# KiCad board TRX055.01.01.PB.00.00.kicad_pcb (continued)
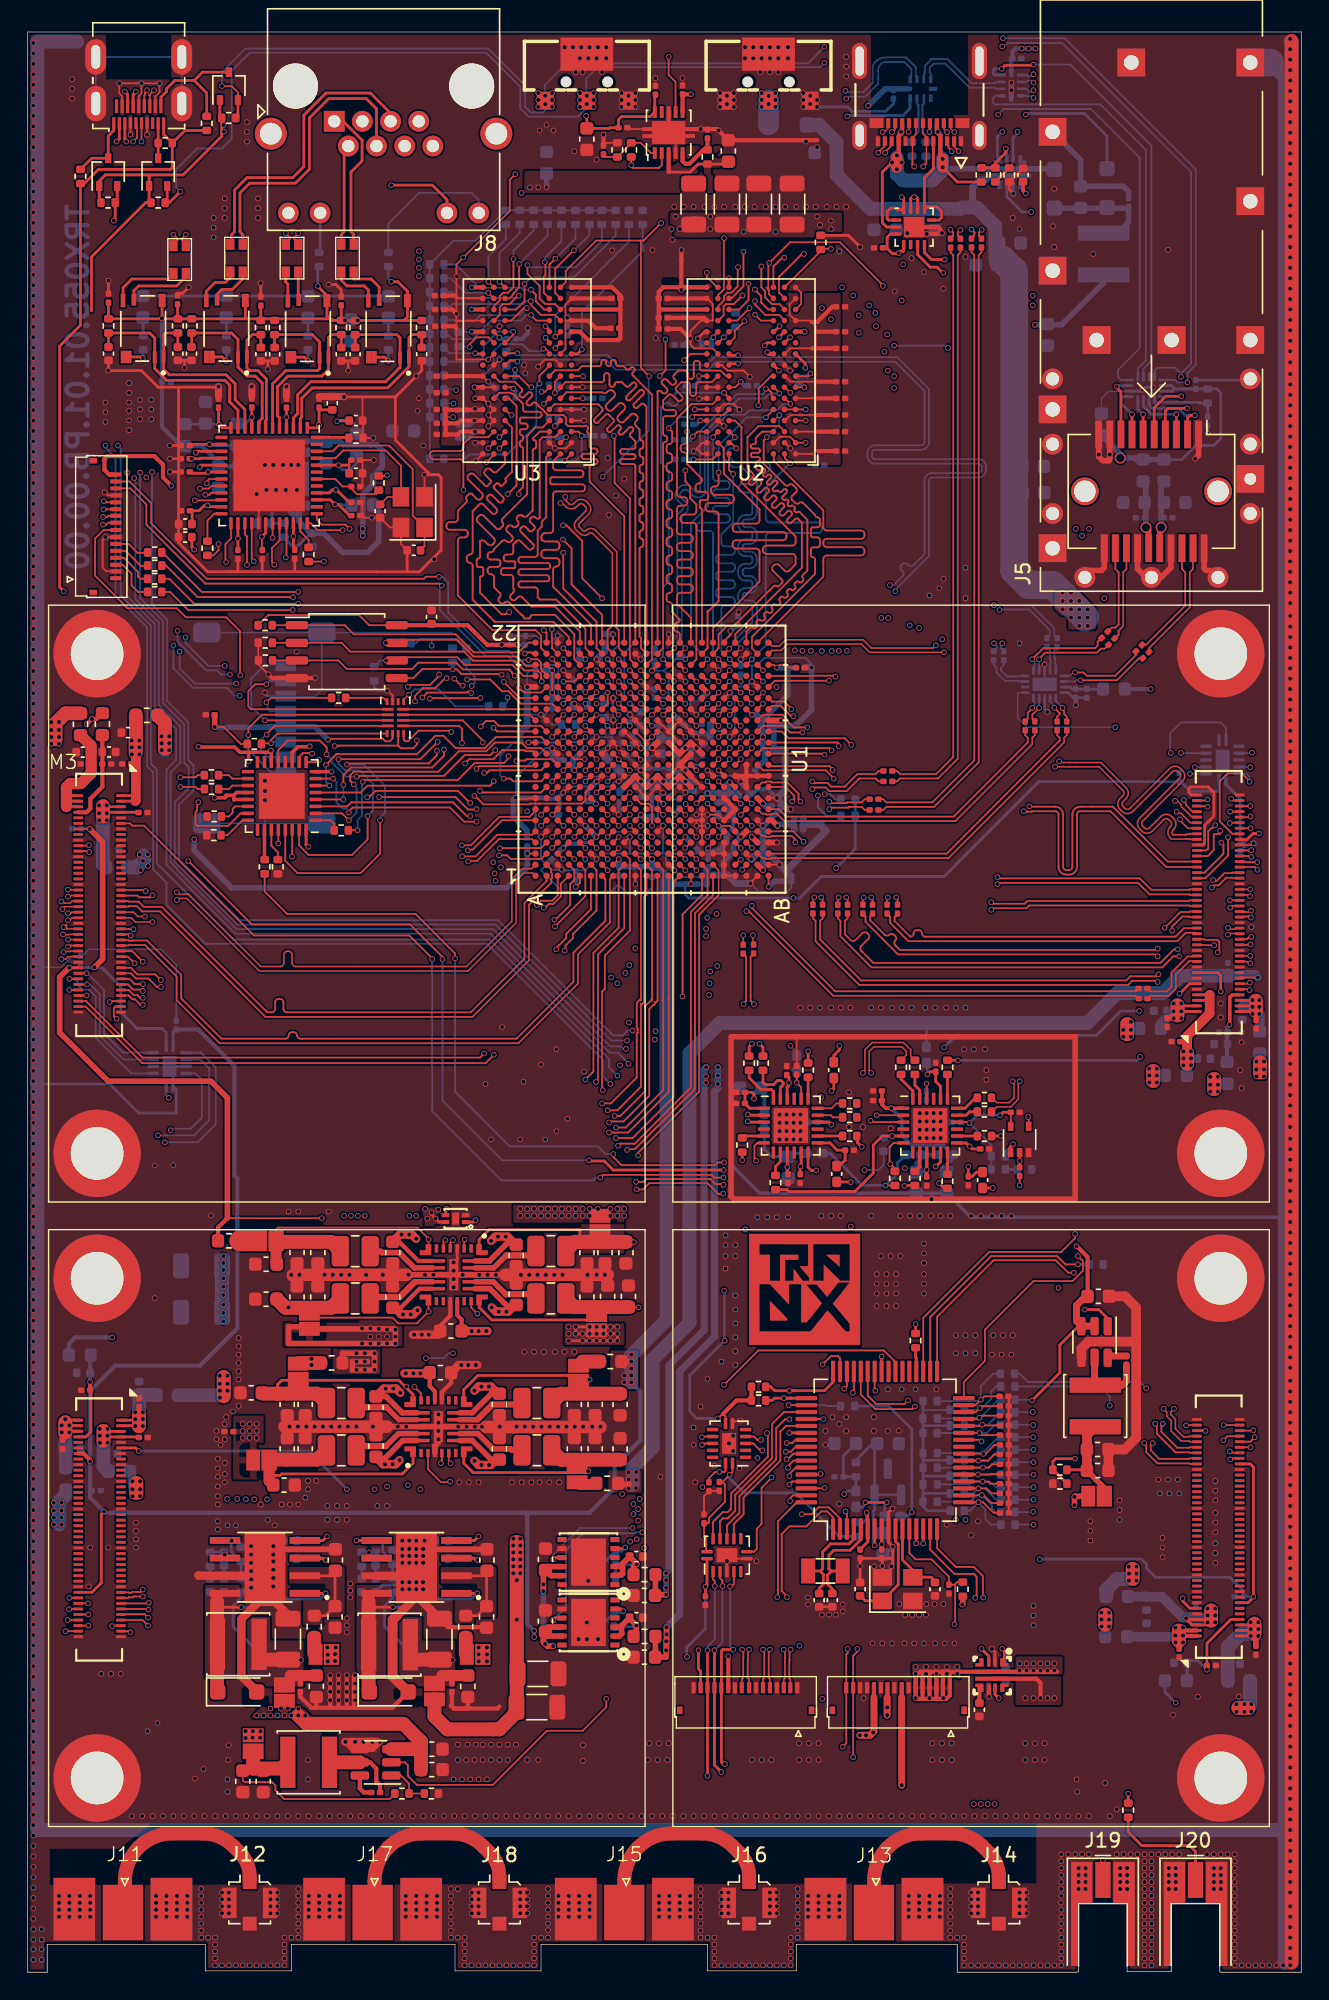
[diagram p0: board, top side]
## Routing (per net, layer and track width the routed paths; a pad name or vN(x,y) marks a point on that pad's centre or on a via; arc(x,y) is an arc through that point) (continued)
/ZynqDDR/DDR_CS: length 95
  Top w0.127: v1(38.02,117.01) 38.41,117.4 ; U1.P17 v1(47.4,91.4)
  Top w0.2: U2.L2 v1(54.95,117.8)
  In2.Cu w0.127: v1(47.4,91.4) 47.8,91.8 48.03,91.8 48.03,91.8 48.31,91.8 48.6,92.08 48.6,92.39 48.85,92.64 49.2,92.64 49.4,92.83 49.4,93.12 49.72,93.44 50.02,93.44 50.24,93.65 50.24,93.99 50.48,94.24 51.57,94.24 51.82,94.48 51.82,94.74 55.24,98.16 arc(55.41,98.09) 55.48,97.92 55.48,96.97 arc(55.55,96.8) 55.72,96.73 55.84,96.73 arc(56.01,96.8) 56.08,96.97 56.08,97.92 arc(56.15,98.09) 56.32,98.16 56.44,98.16 arc(56.61,98.09) 56.68,97.92 56.68,97.17 arc(56.75,97) 56.92,96.93 57.04,96.93 arc(57.21,97) 57.28,97.17 57.28,97.92 arc(57.35,98.09) 57.52,98.16 57.64,98.16 arc(57.81,98.09) 57.88,97.92 57.88,97.57 arc(57.95,97.4) 58.12,97.33 58.24,97.33 arc(58.41,97.4) 58.48,97.57 58.48,97.92 arc(58.55,98.09) 58.72,98.16 58.84,98.16 arc(59.01,98.09) 59.08,97.92 59.08,97.57 arc(59.15,97.4) 59.32,97.33 59.44,97.33 arc(59.61,97.4) 59.68,97.57 59.68,97.92 arc(59.75,98.09) 59.92,98.16 60.04,98.16 arc(60.21,98.09) 60.28,97.92 60.28,97.57 arc(60.35,97.4) 60.52,97.33 60.64,97.33 arc(60.81,97.4) 60.88,97.57 60.88,97.92 arc(60.95,98.09) 61.12,98.16 62.86,98.16 arc(62.94,98.33) 62.87,98.5 arc(62.79,98.67) 62.86,98.84 62.95,98.92 arc(63.12,98.99) 63.29,98.92 64.16,98.05 arc(64.33,97.98) 64.5,98.05 64.58,98.14 arc(64.65,98.31) 64.58,98.48 64.05,99.01 arc(63.98,99.18) 64.05,99.35 64.93,100.23 68.1,103.39 68.1,113.6 63.7,118 v1(61.95,118)
  In4.Cu w0.127: 35.17,117.04 35.13,117 ; 35.13,117 35.15,117.01 36.22,117.01 36.56,117.36 37.68,117.36 v1(38.02,117.01) 38.3,117.28 46.11,117.28 46.13,117.3 50.38,117.3 50.68,117.6 53.84,117.6 54,117.44 54.59,117.44 v1(54.95,117.8) 55.28,117.47 60.32,117.47 60.85,118 v1(61.95,118) ; 35.13,117 34.71,116.57 34.71,114.99 34.58,114.86 34.58,112.94 33.48,111.84 32.75,111.84 32.35,111.44 31.23,111.44 30.63,112.04
  Bottom w0.127: v1(30.66,112.05) 30.66,112.05 R44.1
/ZynqDDR/DDR_DM0: length 26.5
  Top w0.127: U1.B22 37.4,96.5 v1(37.2,96.7) ; U3.D3 37.1,111.3 36.6,111.3 36,110.7 36,106.5 34.23,104.73 arc(34.17,104.59) 34.23,104.45 arc(34.28,104.32) 34.23,104.18 34.06,104.02 arc(33.92,103.96) 33.79,104.02 32.87,104.94 arc(32.69,105.01) 32.52,104.94 32.43,104.85 arc(32.36,104.67) 32.43,104.5 33.61,103.32 arc(33.68,103.14) 33.61,102.97 33.52,102.88 arc(33.34,102.81) 33.17,102.88 32.95,103.1 arc(32.78,103.17) 32.6,103.1 32.6,101.98 arc(32.57,101.9) 32.48,101.87 arc(32.4,101.83) 32.37,101.75 32.37,101.36 arc(32.4,101.28) 32.48,101.25 32.72,101.25 arc(32.8,101.21) 32.83,101.13 32.83,100.71 arc(32.8,100.63) 32.72,100.59 arc(32.63,100.56) 32.6,100.48 32.6,99.4 34.15,97.85 34.45,97.85 34.6,98 v1(34.7,98)
  In2.Cu w0.127: v1(37.2,96.7) 36.05,97.85 34.95,97.85 34.8,98 v1(34.7,98)
/ZynqDDR/DDR_DM1: length 27.6
  Top w0.127: v1(38.59,104.25) 38.84,104.25 39.97,103.12 39.97,100.43 v1(41.4,99) ; U3.E7 34.8,112.2
  Top w0.2: U1.H20 v1(41.8,94.6)
  In2.Cu w0.127: v1(38.59,104.25) 38.24,104.25 37.89,104.6 arc(37.82,104.77) 37.89,104.94 38.01,105.06 arc(38.08,105.23) 38.01,105.4 37.92,105.49 arc(37.75,105.56) 37.58,105.49 37,104.91 arc(36.83,104.84) 36.67,104.91 36.58,104.99 arc(36.51,105.16) 36.58,105.33 37.16,105.91 arc(37.23,106.08) 37.16,106.25 37.08,106.33 arc(36.91,106.4) 36.74,106.33 36.62,106.21 arc(36.45,106.14) 36.28,106.21 36,106.49 36,107.14 arc(36.07,107.31) 36.24,107.38 36.26,107.38 arc(36.43,107.45) 36.5,107.62 36.5,107.74 arc(36.43,107.91) 36.26,107.98 35.59,107.98 arc(35.42,108.05) 35.35,108.22 35.35,108.34 arc(35.42,108.51) 35.59,108.58 36.31,108.58 arc(36.48,108.65) 36.55,108.82 36.55,108.94 arc(36.48,109.11) 36.31,109.18 36.24,109.18 arc(36.07,109.25) 36,109.42 36,110.2 34.87,111.33 v1(34.87,112.2) ; v1(41.8,94.6) 41.8,95.7 41.35,96.15 41.35,98.95
/ZynqDDR/DDR_DM2: length 25.3
  Top w0.127: U1.P22 47,96.38 arc(46.94,96.52) 46.8,96.58 arc(46.66,96.64) 46.6,96.78 46.6,97.05 arc(46.66,97.19) 46.8,97.25 arc(46.94,97.31) 47,97.45 46.45,98 46.45,98.51 arc(46.39,98.65) 46.25,98.71 arc(46.11,98.77) 46.05,98.91 46.05,99.18 arc(46.11,99.32) 46.25,99.38 arc(46.39,99.44) 46.45,99.58 46.45,99.85 arc(46.39,99.99) 46.25,100.05 arc(46.11,100.11) 46.05,100.25 46.05,100.52 arc(46.11,100.66) 46.25,100.72 arc(46.39,100.78) 46.45,100.92 46.45,101.19 arc(46.39,101.33) 46.25,101.39 arc(46.11,101.45) 46.05,101.59 46.05,101.86 arc(46.11,102) 46.25,102.06 arc(46.39,102.12) 46.45,102.26 46.45,102.53 arc(46.39,102.67) 46.25,102.73 arc(46.11,102.79) 46.05,102.93 46.05,103.2 arc(46.11,103.34) 46.25,103.4 arc(46.39,103.46) 46.45,103.6 46.45,103.87 arc(46.39,104.01) 46.25,104.07 arc(46.11,104.13) 46.05,104.27 46.05,104.54 arc(46.11,104.68) 46.25,104.74 arc(46.39,104.8) 46.45,104.94 46.45,105.21 arc(46.39,105.35) 46.25,105.41 arc(46.11,105.47) 46.05,105.61 46.05,105.88 arc(46.11,106.02) 46.25,106.08 arc(46.39,106.14) 46.45,106.28 46.45,106.55 arc(46.39,106.69) 46.25,106.75 arc(46.11,106.81) 46.05,106.95 46.05,107.22 arc(46.11,107.36) 46.25,107.42 arc(46.39,107.48) 46.45,107.62 46.45,107.89 arc(46.39,108.03) 46.25,108.09 arc(46.11,108.15) 46.05,108.29 46.05,108.56 arc(46.11,108.7) 46.25,108.76 arc(46.39,108.82) 46.45,108.96 46.45,109.23 arc(46.39,109.37) 46.25,109.43 arc(46.11,109.49) 46.05,109.63 46.05,109.9 arc(46.11,110.04) 46.25,110.1 arc(46.39,110.16) 46.45,110.3 46.45,111 v1(46.2,111.25) ; 50.58,112.6 50.18,112.2 48.05,112.2 v1(47.9,112.05)
  Bottom w0.127: v1(46.2,111.25) 47,112.05 v1(47.9,112.05)
/ZynqDDR/DDR_DM3: length 24.8
  Top w0.1: 53.78,111.8 53.79,111.8 v1(54.18,112.19)
  Top w0.127: U1.AA21 52.2,95.4 52.2,96.2 56.75,100.75 56.75,101.8 arc(56.71,101.9) 56.6,101.94 arc(56.49,101.99) 56.45,102.09 56.45,102.52 arc(56.49,102.62) 56.6,102.67 56.92,102.67 arc(57.05,102.72) 57.1,102.84 57.1,103.21 arc(57.05,103.33) 56.92,103.39 56.6,103.39 arc(56.49,103.43) 56.45,103.53 56.45,103.95 arc(56.49,104.06) 56.6,104.11 56.92,104.11 arc(57.05,104.16) 57.1,104.28 57.1,104.65 arc(57.05,104.77) 56.92,104.83 arc(56.8,104.88) 56.75,105 55.89,105.86 arc(55.75,105.92) 55.61,105.86 arc(55.47,105.8) 55.33,105.86 55.1,106.08 arc(55.04,106.22) 55.1,106.37 55.38,106.65 arc(55.44,106.79) 55.38,106.93 55.16,107.16 arc(55.02,107.22) 54.87,107.16 arc(54.73,107.1) 54.59,107.16 53.05,108.7 53.05,110.37 v1(53.28,110.6)
  Bottom w0.1: v1(53.28,110.6) 54.18,111.5 v1(54.18,112.19)
/ZynqDDR/DDR_DQ0: length 27.9
  Top w0.127: U3.D7 34.9,111.3 34.9,108.1 34.45,107.65 arc(34.42,107.58) 34.45,107.51 arc(34.48,107.44) 34.45,107.37 34.2,107.12 arc(34.13,107.09) 34.06,107.12 33.92,107.26 arc(33.85,107.29) 33.78,107.26 33.6,107.08 arc(33.57,107.01) 33.6,106.94 34.27,106.27 arc(34.32,106.14) 34.27,106.01 34.2,105.94 arc(34.07,105.89) 33.94,105.94 33.47,106.41 arc(33.34,106.47) 33.21,106.41 33.15,106.35 arc(33.09,106.22) 33.15,106.09 33.79,105.44 arc(33.85,105.31) 33.79,105.18 33.73,105.11 arc(33.6,105.06) 33.47,105.11 32.82,105.76 arc(32.69,105.82) 32.56,105.76 32.07,105.27 32.07,102.36 arc(32.01,102.21) 31.86,102.15 arc(31.7,102.08) 31.64,101.93 31.64,101.76 arc(31.7,101.61) 31.86,101.55 arc(32.01,101.48) 32.07,101.33 32.07,98.89 33.66,97.3 37.9,97.3 39,96.2 U1.D22
/ZynqDDR/DDR_DQ1: length 26.5
  Top w0.127: U3.C8 33.2,110.6 31.9,110.6 31.4,110.1 31.4,109.84 arc(31.33,109.67) 31.16,109.6 29.24,109.6 arc(29.07,109.53) 29,109.36 29,109.24 arc(29.07,109.07) 29.24,109 31.16,109 arc(31.33,108.93) 31.4,108.76 v1(31.4,106.8) ; v1(37.8,94.62) 37.8,94.6 U1.C20
  In2.Cu w0.127: v1(31.4,106.8) 31.4,99.58 34.05,96.92 35.5,96.92 v1(37.8,94.62)
/ZynqDDR/DDR_DQ2: length 27.9
  Top w0.127: U3.A7 34.4,108.7 33.82,108.12 arc(33.67,108.06) 33.51,108.12 33.35,108.29 arc(33.2,108.35) 33.04,108.29 32.96,108.21 arc(32.9,108.05) 32.96,107.9 33.37,107.49 arc(33.4,107.41) 33.37,107.32 33.15,107.1 arc(33.07,107.07) 32.98,107.1 32.15,107.93 arc(31.99,108) 31.84,107.93 31.76,107.85 arc(31.7,107.7) 31.76,107.54 32.75,106.56 arc(32.81,106.4) 32.75,106.24 32.67,106.17 arc(32.52,106.1) 32.36,106.17 32.01,106.51 arc(31.92,106.55) 31.82,106.51 31.63,106.32 arc(31.58,106.22) 31.63,106.12 arc(31.67,106.02) 31.63,105.93 31,105.3 31,104.7 arc(30.94,104.54) 30.78,104.48 30.4,104.48 arc(30.25,104.42) 30.18,104.26 30.18,104.15 arc(30.25,103.99) 30.4,103.93 31.5,103.93 arc(31.65,103.87) 31.72,103.71 31.72,103.6 arc(31.65,103.44) 31.5,103.38 31.22,103.38 arc(31.06,103.32) 31,103.16 31,99.2 33.5,96.7 36.6,96.7 37,96.3 37,95.4 U1.B21
/ZynqDDR/DDR_DQ3: length 26.5
  Top w0.127: U3.B8 v1(33.2,109.8) ; U1.D20 39,94.22 v1(38.62,94.6)
  In2.Cu w0.127: v1(38.62,94.6) 38.4,94.6 35.51,97.49 34.44,97.49 33.62,98.31 arc(33.48,98.37) 33.34,98.31 arc(33.2,98.25) 33.06,98.31 32.91,98.45 arc(32.86,98.59) 32.91,98.73 33.45,99.26 arc(33.52,99.43) 33.45,99.6 33.36,99.69 arc(33.19,99.76) 33.02,99.69 32.8,99.47 arc(32.63,99.4) 32.46,99.47 32,99.92 32,100.61 arc(32.07,100.78) 32.24,100.85 32.26,100.85 arc(32.43,100.92) 32.5,101.09 32.5,101.21 arc(32.43,101.38) 32.26,101.45 31.83,101.45 arc(31.71,101.5) 31.66,101.62 31.66,101.88 arc(31.71,102) 31.83,102.05 arc(31.95,102.1) 32,102.22 32,102.48 arc(31.95,102.6) 31.83,102.65 arc(31.71,102.7) 31.66,102.83 31.66,103.08 arc(31.71,103.2) 31.83,103.25 arc(31.95,103.3) 32,103.42 32,103.68 arc(31.95,103.8) 31.83,103.85 arc(31.71,103.9) 31.66,104.03 31.66,104.28 arc(31.71,104.4) 31.83,104.45 arc(31.95,104.5) 32,104.62 32,104.88 arc(31.95,105) 31.83,105.05 arc(31.71,105.1) 31.66,105.22 31.66,105.48 arc(31.71,105.6) 31.83,105.65 32.31,105.65 arc(32.48,105.72) 32.55,105.89 32.55,106.01 arc(32.48,106.18) 32.31,106.25 31.9,106.25 arc(31.83,106.28) 31.8,106.35 31.8,106.75 arc(31.83,106.82) 31.9,106.85 32.31,106.85 arc(32.48,106.92) 32.55,107.09 32.55,107.21 arc(32.48,107.38) 32.31,107.45 32.24,107.45 arc(32.07,107.52) 32,107.69 32.7,108.39 32.7,109.3 v1(33.2,109.8)
/ZynqDDR/DDR_DQ4: length 27.9
  Top w0.127: U3.C3 36.9,111 36.4,110.5 arc(36.44,110.41) 36.53,110.38 arc(36.61,110.34) 36.65,110.25 36.65,109.9 arc(36.61,109.81) 36.53,109.78 arc(36.44,109.74) 36.4,109.65 36.4,105.32 36,104.92 arc(35.85,104.86) 35.7,104.92 35.67,104.95 arc(35.52,105.01) 35.37,104.95 35.3,104.87 arc(35.24,104.72) 35.3,104.57 35.33,104.55 arc(35.39,104.4) 35.33,104.25 35.25,104.17 arc(35.1,104.11) 34.95,104.17 34.92,104.2 arc(34.77,104.26) 34.62,104.2 34.55,104.12 arc(34.49,103.97) 34.55,103.82 34.9,103.47 arc(34.97,103.32) 34.9,103.17 34.83,103.09 arc(34.68,103.03) 34.53,103.09 34.5,103.12 arc(34.35,103.18) 34.2,103.12 33.61,102.53 arc(33.55,102.38) 33.4,102.32 33.36,102.32 arc(33.21,102.26) 33.15,102.11 33.15,102 arc(33.21,101.85) 33.36,101.79 33.86,101.79 arc(34.01,101.73) 34.07,101.58 34.07,101.47 arc(34.01,101.32) 33.86,101.26 33.36,101.26 arc(33.21,101.2) 33.15,101.05 33.15,100.94 arc(33.21,100.79) 33.36,100.73 33.4,100.73 arc(33.55,100.67) 33.61,100.52 33.61,99.78 34.02,99.37 arc(34.08,99.22) 34.02,99.07 33.99,99.04 arc(33.93,98.89) 33.99,98.74 34.07,98.67 arc(34.22,98.61) 34.37,98.67 34.39,98.7 arc(34.54,98.76) 34.69,98.7 35.59,97.8 arc(35.68,97.76) 35.72,97.67 arc(35.76,97.58) 35.85,97.54 36.12,97.54 arc(36.21,97.58) 36.25,97.67 arc(36.29,97.76) 36.38,97.8 38,97.8 39.39,96.41 39.39,94.61 U1.E20
/ZynqDDR/DDR_DQ5: length 27.9
  Top w0.127: U1.E22 39.8,96.6 38,98.4 36.3,98.4 35.62,99.08 arc(35.49,99.13) 35.35,99.08 35.17,98.9 arc(35.03,98.84) 34.89,98.9 34.82,98.97 arc(34.76,99.11) 34.82,99.24 35,99.42 arc(35.06,99.56) 35,99.7 35,100.48 arc(34.94,100.62) 34.8,100.67 34.3,100.67 arc(34.16,100.73) 34.11,100.87 34.11,100.97 arc(34.16,101.11) 34.3,101.16 35.07,101.16 arc(35.12,101.18) 35.14,101.23 35.14,101.59 arc(35.12,101.63) 35.07,101.65 34.5,101.65 arc(34.36,101.71) 34.31,101.85 34.31,101.95 arc(34.36,102.09) 34.5,102.14 34.8,102.14 arc(34.94,102.2) 35,102.34 35,102.88 35.24,103.12 arc(35.38,103.17) 35.51,103.12 36.08,102.55 arc(36.22,102.49) 36.36,102.55 36.43,102.62 arc(36.48,102.76) 36.43,102.9 35.55,103.78 arc(35.49,103.92) 35.55,104.05 35.62,104.12 arc(35.75,104.18) 35.89,104.12 36.17,103.85 arc(36.27,103.81) 36.37,103.85 36.52,103.99 arc(36.56,104.09) 36.52,104.19 36.24,104.47 arc(36.18,104.61) 36.24,104.75 36.31,104.82 arc(36.45,104.87) 36.59,104.82 36.62,104.78 arc(36.76,104.72) 36.9,104.78 36.9,110.4 37.1,110.6 38,110.6 U3.C2
/ZynqDDR/DDR_DQ6: length 27.9
  Top w0.12: 40.2,95.4 40.2,96.8
  Top w0.127: U3.A3 37.37,109.17 37.37,104.84 37.05,104.52 37.05,104.16 36.76,103.87 36.76,102.15 arc(36.71,102.03) 36.58,101.98 35.55,101.98 arc(35.42,101.92) 35.37,101.8 35.37,101.71 arc(35.42,101.59) 35.55,101.54 37.47,101.54 arc(37.6,101.48) 37.65,101.36 37.65,101.27 arc(37.6,101.15) 37.47,101.1 35.55,101.1 arc(35.42,101.04) 35.37,100.92 35.37,100.83 arc(35.42,100.71) 35.55,100.66 37.42,100.66 arc(37.55,100.6) 37.6,100.48 37.6,100.39 arc(37.55,100.27) 37.42,100.22 35.55,100.22 arc(35.42,100.16) 35.37,100.04 35.37,99.95 arc(35.42,99.83) 35.55,99.78 36.58,99.78 arc(36.71,99.72) 36.76,99.6 36.76,99.06 36.92,98.9 38.1,98.9 40.2,96.8 ; U1.F21 40.2,95.4
/ZynqDDR/DDR_DQ7: length 27.9
  Top w0.127: U1.F22 40.6,97.1 37.88,99.83 37.88,101.06 arc(37.94,101.22) 38.1,101.29 arc(38.26,101.35) 38.33,101.51 38.33,101.66 arc(38.26,101.82) 38.1,101.89 37.27,101.89 arc(37.1,101.96) 37.03,102.13 37.03,102.25 arc(37.1,102.42) 37.27,102.49 38.1,102.49 arc(38.26,102.55) 38.33,102.71 38.33,102.86 arc(38.26,103.02) 38.1,103.09 37.27,103.09 arc(37.1,103.16) 37.03,103.33 37.03,103.45 arc(37.1,103.62) 37.27,103.69 37.64,103.69 arc(37.8,103.76) 37.88,103.93 37.88,106.49 arc(37.93,106.63) 38.08,106.69 39.97,106.69 arc(40.11,106.75) 40.17,106.9 40.17,107 arc(40.11,107.14) 39.97,107.2 37.78,107.2 arc(37.7,107.23) 37.67,107.3 37.67,107.61 arc(37.7,107.68) 37.78,107.71 39.85,107.71 arc(39.99,107.77) 40.05,107.92 40.05,108.02 arc(39.99,108.16) 39.85,108.22 38.08,108.22 arc(37.93,108.28) 37.88,108.43 37.88,108.88 U3.A2
/ZynqDDR/DDR_DQ8: length 28.8
  Top w0.127: v1(38.6,102.28) 38.6,99.7 41,97.3 41,95.4 U1.G21 ; U3.F7 34.69,113.4 35.23,112.85 35.23,107.13 v1(34.6,106.5)
  In2.Cu w0.127: v1(38.6,102.28) 36.03,102.28 36.02,102.27 35.92,102.37 arc(35.74,102.44) 35.55,102.37 34.3,101.12 arc(34.12,101.04) 33.94,101.12 33.84,101.21 arc(33.77,101.39) 33.84,101.58 35.09,102.83 arc(35.17,103.01) 35.09,103.2 34.6,103.69 34.6,104.11 arc(34.68,104.29) 34.86,104.37 34.88,104.37 arc(35.06,104.45) 35.14,104.63 35.14,104.76 arc(35.06,104.94) 34.88,105.02 34.45,105.02 arc(34.35,105.06) 34.31,105.16 34.31,105.52 arc(34.35,105.63) 34.45,105.67 arc(34.56,105.71) 34.6,105.81 v1(34.6,106.5)
/ZynqDDR/DDR_DQ9: length 28.8
  Top w0.127: v1(35.4,106.5) 35.4,106.7 35.7,107 35.7,109.8 arc(35.67,109.88) 35.58,109.91 arc(35.5,109.95) 35.47,110.03 35.47,110.22 arc(35.5,110.3) 35.58,110.33 arc(35.67,110.37) 35.7,110.45 35.7,110.64 arc(35.67,110.72) 35.58,110.75 arc(35.5,110.79) 35.47,110.87 35.47,111.06 arc(35.5,111.14) 35.58,111.17 35.86,111.17 arc(35.98,111.22) 36.03,111.34 36.03,111.43 arc(35.98,111.54) 35.86,111.59 35.58,111.59 arc(35.5,111.63) 35.47,111.71 35.47,111.9 arc(35.5,111.98) 35.58,112.01 36.86,112.01 arc(36.98,112.06) 37.03,112.18 37.03,112.26 arc(36.98,112.38) 36.86,112.43 35.87,112.43 arc(35.75,112.48) 35.7,112.6 35.7,113 34.96,113.74 34.85,113.74 34.78,113.8 34,113.8 U3.F8 ; U1.G22 41.4,97.8 39.2,100 39.2,102.6 v1(38.58,103.22)
  In2.Cu w0.127: v1(35.4,106.5) 35.4,104.7 arc(35.57,104.63) 35.74,104.7 35.77,104.73 arc(35.94,104.8) 36.11,104.73 36.19,104.64 arc(36.26,104.47) 36.19,104.3 35.8,103.91 arc(35.73,103.74) 35.8,103.57 35.88,103.48 arc(36.05,103.41) 36.22,103.48 36.25,103.51 arc(36.42,103.58) 36.59,103.51 36.89,103.21 38.57,103.21 v1(38.58,103.22)
/ZynqDDR/DDR_DQ10: length 30.1
  Top w0.127: U3.G2 38.78,114.58 41.4,114.58 arc(41.51,114.62) 41.55,114.73 41.55,115.06 arc(41.6,115.17) 41.7,115.22 41.78,115.22 arc(41.89,115.17) 41.93,115.06 41.93,114.39 arc(41.98,114.28) 42.08,114.23 42.16,114.23 arc(42.27,114.28) 42.31,114.39 42.31,114.42 arc(42.36,114.53) 42.46,114.58 42.83,114.58 43.13,114.27 arc(43.24,114.23) 43.34,114.27 43.58,114.51 arc(43.69,114.55) 43.8,114.51 43.85,114.45 arc(43.89,114.35) 43.85,114.24 43.16,113.55 arc(43.12,113.44) 43.16,113.33 43.21,113.28 arc(43.32,113.24) 43.43,113.28 44.12,113.97 arc(44.23,114.02) 44.33,113.97 44.39,113.92 arc(44.43,113.81) 44.39,113.7 43.7,113.01 arc(43.65,112.9) 43.7,112.8 43.75,112.74 arc(43.86,112.7) 43.97,112.74 44.2,112.98 arc(44.31,113.03) 44.42,112.98 44.6,112.8 44.6,96.7 U1.L22
/ZynqDDR/DDR_DQ11: length 30.1
  Top w0.127: U1.L21 44.2,95.4 44.2,96.14 44.1,96.24 44.1,102.57 arc(44.14,102.66) 44.24,102.7 arc(44.33,102.74) 44.37,102.84 44.37,103.16 arc(44.33,103.25) 44.24,103.29 arc(44.14,103.33) 44.1,103.43 44.1,103.75 arc(44.14,103.84) 44.24,103.88 arc(44.33,103.92) 44.37,104.02 44.37,104.34 arc(44.33,104.43) 44.24,104.47 arc(44.14,104.51) 44.1,104.61 44.1,104.93 arc(44.14,105.02) 44.24,105.06 arc(44.33,105.1) 44.37,105.2 44.37,105.52 arc(44.33,105.61) 44.24,105.65 arc(44.14,105.69) 44.1,105.79 44.1,106.11 arc(44.14,106.2) 44.24,106.24 arc(44.33,106.28) 44.37,106.38 44.37,106.7 arc(44.33,106.79) 44.24,106.83 arc(44.14,106.87) 44.1,106.97 44.1,107.29 arc(44.14,107.38) 44.24,107.42 arc(44.33,107.46) 44.37,107.56 44.37,107.88 arc(44.33,107.97) 44.24,108.01 arc(44.14,108.05) 44.1,108.15 44.1,108.47 arc(44.14,108.56) 44.24,108.6 arc(44.33,108.64) 44.37,108.74 44.37,109.06 arc(44.33,109.15) 44.24,109.19 arc(44.14,109.23) 44.1,109.33 44.1,109.65 arc(44.14,109.74) 44.24,109.78 arc(44.33,109.82) 44.37,109.92 44.37,110.24 arc(44.33,110.33) 44.24,110.37 arc(44.14,110.41) 44.1,110.51 44.1,111.15 43.83,111.42 arc(43.77,111.58) 43.83,111.75 43.9,111.82 arc(43.97,111.99) 43.9,112.15 43.82,112.24 arc(43.65,112.31) 43.49,112.24 42.98,111.73 arc(42.81,111.66) 42.64,111.73 42.56,111.81 arc(42.49,111.98) 42.56,112.15 43,112.58 arc(43.07,112.75) 43,112.92 42.91,113 arc(42.75,113.07) 42.58,113 42.14,112.56 arc(41.98,112.49) 41.81,112.56 41.73,112.65 arc(41.66,112.81) 41.73,112.98 42.27,113.52 arc(42.34,113.69) 42.27,113.86 42.19,113.94 arc(42.02,114.01) 41.85,113.94 41.75,113.84 arc(41.58,113.77) 41.41,113.84 38.84,113.84 U3.F2
/ZynqDDR/DDR_DQ12: length 30.1
  Top w0.127: U3.H3 38.02,115.42 39.64,115.42 39.96,115.73 41.21,115.73 arc(41.31,115.77) 41.35,115.87 41.35,116.03 arc(41.39,116.13) 41.49,116.17 41.56,116.17 arc(41.66,116.13) 41.7,116.03 41.7,115.87 arc(41.74,115.77) 41.84,115.73 41.91,115.73 arc(42.01,115.77) 42.05,115.87 42.05,116.03 arc(42.09,116.13) 42.19,116.17 42.26,116.17 arc(42.36,116.13) 42.4,116.03 42.4,115.87 arc(42.44,115.77) 42.54,115.73 42.94,115.73 43.16,115.5 arc(43.26,115.46) 43.36,115.5 43.48,115.62 arc(43.57,115.66) 43.67,115.62 43.72,115.57 arc(43.76,115.47) 43.72,115.37 43.61,115.26 arc(43.57,115.16) 43.61,115.06 44.99,113.67 44.99,94.59 U1.L20
/ZynqDDR/DDR_DQ13: length 31
  Top w0.127: U3.E3 37.97,112.97 41.12,112.97 41.41,112.69 arc(41.46,112.58) 41.41,112.48 40.85,111.91 arc(40.81,111.81) 40.85,111.71 40.9,111.66 arc(41,111.62) 41.1,111.66 41.67,112.23 arc(41.77,112.27) 41.87,112.23 42.21,111.89 arc(42.26,111.78) 42.21,111.68 41.79,111.26 arc(41.75,111.15) 41.79,111.05 41.84,111 arc(41.94,110.96) 42.04,111 42.47,111.43 arc(42.57,111.47) 42.67,111.43 42.72,111.38 arc(42.77,111.28) 42.72,111.17 42.62,111.07 arc(42.57,110.96) 42.62,110.86 42.67,110.81 arc(42.77,110.77) 42.87,110.81 43.36,111.3 arc(43.46,111.34) 43.56,111.3 43.61,111.25 arc(43.66,111.15) 43.61,111.05 43.44,110.87 arc(43.39,110.77) 43.44,110.66 43.8,110.3 43.8,109.89 arc(43.76,109.79) 43.66,109.75 42.85,109.75 arc(42.75,109.7) 42.71,109.6 42.71,109.53 arc(42.75,109.43) 42.85,109.39 43.66,109.39 arc(43.76,109.34) 43.8,109.24 43.8,109.17 arc(43.76,109.07) 43.66,109.03 42.85,109.03 arc(42.75,108.98) 42.71,108.88 42.71,108.81 arc(42.75,108.71) 42.85,108.67 43.66,108.67 arc(43.76,108.62) 43.8,108.52 43.8,96.6 ; 43.8,96.6 43.8,96.7 ; 43.8,96.6 U1.K22
/ZynqDDR/DDR_DQ14: length 30.2
  Top w0.127: 33.61,115 34.01,114.6 35.1,114.6 35.61,114.09 arc(35.65,113.99) 35.61,113.88 35.49,113.76 arc(35.44,113.65) 35.49,113.55 35.54,113.49 arc(35.65,113.45) 35.76,113.49 36.08,113.81 arc(36.17,113.85) 36.27,113.81 36.35,113.74 arc(36.39,113.64) 36.35,113.55 35.99,113.19 arc(35.95,113.08) 35.99,112.97 36.04,112.92 arc(36.15,112.88) 36.26,112.92 36.41,113.07 arc(36.52,113.12) 36.63,113.07 36.84,112.86 36.84,112.85 37.05,112.64 37.06,112.64 37.24,112.46 37.24,112.45 37.45,112.24 37.46,112.24 37.5,112.2 38.61,112.2 38.8,112.01 38.8,111.55 38.95,111.4 39.9,111.4 arc(40,111.36) 40.09,111.4 arc(40.19,111.44) 40.28,111.4 40.36,111.32 arc(40.4,111.23) 40.36,111.13 arc(40.32,111.04) 40.36,110.94 40.5,110.8 40.5,109.94 arc(40.54,109.83) 40.65,109.79 40.92,109.79 arc(41.03,109.74) 41.07,109.64 41.07,109.56 arc(41.03,109.45) 40.92,109.41 40.08,109.41 arc(39.97,109.36) 39.93,109.26 39.93,109.18 arc(39.97,109.07) 40.08,109.03 40.92,109.03 arc(41.03,108.98) 41.07,108.88 41.07,108.8 arc(41.03,108.69) 40.92,108.65 40.65,108.65 arc(40.54,108.6) 40.5,108.5 40.5,107.4 43,104.9 U1.J22
/ZynqDDR/DDR_DQ15: length 27.3
  Top w0.127: U1.K20 43.4,94.6 43.4,96.1 ; 43.4,96.1 43.4,106.2 42.3,107.3 42.3,110.65 v1(42.25,110.7) ; 43.4,96.1 43.4,96.2 ; v1(36.3,114.2) 36.2,114.2 35.4,115 34.41,115
  In4.Cu w0.127: v1(36.3,114.2) 36.3,113.4 36.84,112.86 36.84,112.85 37.05,112.64 37.06,112.64 37.46,112.24 40.72,112.24 v1(42.25,110.7)
/ZynqDDR/DDR_DQ16: length 28.2
  Top w0.127: U2.H7 50.35,115 49.95,115.4 48.62,115.4 arc(48.5,115.45) 48.45,115.58 48.45,115.92 arc(48.39,116.05) 48.27,116.1 48.18,116.1 arc(48.06,116.05) 48.01,115.92 48.01,114.98 arc(47.95,114.85) 47.83,114.8 47.74,114.8 arc(47.62,114.85) 47.57,114.98 47.57,115.22 arc(47.51,115.35) 47.39,115.4 46.9,115.4 46.58,115.08 arc(46.53,114.96) 46.58,114.83 46.69,114.73 arc(46.74,114.6) 46.69,114.48 46.62,114.42 arc(46.5,114.37) 46.38,114.42 46.04,114.75 arc(45.93,114.8) 45.83,114.75 45.73,114.65 arc(45.69,114.55) 45.73,114.44 46.06,114.11 arc(46.12,113.98) 46.06,113.86 46,113.8 arc(45.88,113.74) 45.75,113.8 45.65,113.9 arc(45.52,113.95) 45.4,113.9 U1.M22
/ZynqDDR/DDR_DQ17: length 25.3
  Top w0.127: 54.58,113.4 v1(54.98,113) ; U1.T20 v1(49,94.6)
  In2.Cu w0.127: v1(49,94.6) 48.97,94.63
  Bottom w0.127: v1(54.98,113) 54.47,113 54.01,112.54 52.01,112.54 51.69,112.22 50.42,112.22 49.03,110.82 49.03,105.63 47.8,104.4 47.8,95.8 v1(49,94.6)
/ZynqDDR/DDR_DQ18: length 25.5
  Top w0.127: 50.58,113.4 50.18,113.8 ; U1.N20 v1(45.8,94.6)
  Bottom w0.127: v1(45.8,94.6) 45.8,99.8 46.2,100.2 46.2,108.2 45.65,108.75 45.65,112.75 45.92,113.02 arc(46.1,113.1) 46.27,113.02 46.38,112.91 arc(46.56,112.84) 46.73,112.91 46.81,113 arc(46.89,113.17) 46.81,113.34 46.7,113.45 arc(46.63,113.63) 46.7,113.8 50.15,113.8
  vias: v1(50.2,113.8)
/ZynqDDR/DDR_DQ19: length 26.9
  Top w0.127: 54.58,114.2 v1(54.98,113.8) ; U1.T22 48.6,105.39 arc(48.58,105.45) 48.52,105.47 arc(48.46,105.49) 48.44,105.55 48.44,105.99 arc(48.46,106.05) 48.52,106.07 48.83,106.07 arc(48.99,106.14) 49.06,106.3 49.06,106.44 arc(48.99,106.6) 48.83,106.67 48.37,106.67 arc(48.21,106.74) 48.14,106.9 48.14,107.04 arc(48.21,107.2) 48.37,107.27 arc(48.53,107.34) 48.6,107.5 48.59,107.51 48.59,107.61 47.53,108.67 47.53,109.28 arc(47.46,109.44) 47.3,109.51 arc(47.14,109.58) 47.07,109.74 47.07,109.88 arc(47.14,110.04) 47.3,110.11 arc(47.46,110.18) 47.53,110.34 v1(47.53,111)
  In2.Cu w0.127: v1(47.53,111) 47.96,111.44 48.75,111.44 50.7,113.39 54.56,113.39 v1(54.98,113.8)
/ZynqDDR/DDR_DQ20: length 27.1
  Top w0.127: v1(47.4,108.2) 47.4,107.4 47.75,107.05 47.75,106.2 48.2,105.75 48.2,105.27 arc(48.13,105.1) 47.96,105.03 47.29,105.03 arc(47.12,104.96) 47.05,104.79 47.05,104.67 arc(47.12,104.5) 47.29,104.43 47.96,104.43 arc(48.13,104.36) 48.2,104.19 48.2,94.6 U1.R20 ; 53.78,115 53.58,115 52.68,114.1 52.68,113.95 52.7,113.93 52.7,112.95 v1(52.65,112.9)
  In2.Cu w0.127: v1(47.4,108.2) 47.4,109.6 50.74,112.94 52.61,112.94 v1(52.65,112.9)
/ZynqDDR/DDR_DQ21: length 25.2
  Top w0.127: 53.78,112.6 v1(53.21,112.03) ; 49,95.4 49,96.09 49.01,96.1 49.01,98 ; 49.01,98 49.8,98.79 49.8,105.01 arc(49.73,105.18) 49.56,105.25 49.09,105.25 arc(48.92,105.32) 48.85,105.49 48.85,105.61 arc(48.92,105.78) 49.09,105.85 50.66,105.85 arc(50.83,105.92) 50.9,106.09 50.9,106.21 arc(50.83,106.38) 50.66,106.45 49.49,106.45 arc(49.32,106.52) 49.25,106.69 49.25,106.81 arc(49.32,106.98) 49.49,107.05 49.56,107.05 arc(49.73,107.12) 49.8,107.29 v1(49.8,108.05) ; 49.01,98 49.01,98.11 ; 49,95.6 49,95.4 U1.T21
  Bottom w0.127: 49.7,108.1 49.8,108.2 49.8,110 51.83,112.03 v1(53.21,112.03)
/ZynqDDR/DDR_DQ22: length 28.2
  Top w0.127: U1.M21 45.8,95.4 45.8,110.12 arc(45.84,110.22) 45.94,110.26 arc(46.04,110.3) 46.08,110.4 46.08,110.57 arc(46.04,110.67) 45.94,110.71 arc(45.84,110.75) 45.8,110.85 45.8,111.94 arc(45.85,112.07) 45.98,112.12 46.55,112.12 arc(46.68,112.17) 46.73,112.3 46.73,112.39 arc(46.68,112.52) 46.55,112.57 45.98,112.57 arc(45.85,112.62) 45.8,112.75 45.8,113.25 46.19,113.64 arc(46.32,113.69) 46.44,113.64 46.85,113.24 arc(46.97,113.18) 47.1,113.24 47.16,113.3 arc(47.22,113.43) 47.16,113.55 46.76,113.96 arc(46.71,114.08) 46.76,114.21 47.11,114.56 47.56,114.56 arc(47.68,114.51) 47.74,114.38 47.74,113.76 arc(47.79,113.64) 47.92,113.58 48.01,113.58 arc(48.13,113.64) 48.19,113.76 48.19,114.38 arc(48.24,114.51) 48.37,114.56 49.31,114.56 U2.H8